# Altium PCB ESP32-SIM800C_Nhut_Hoang.PcbDoc (part 2 of 2)
Units mm, origin at the board's own origin, x right, y up, seen from the top; angles counter-clockwise.
Board outline 157.99 x 100.2 mm, 4 copper layers (Top, POWER, GND, Bottom), stack 0.603 mm thick; 145 components, 93 nets, 480 pads, 241 vias.
Unrouted connection lines stored in the file: 3.
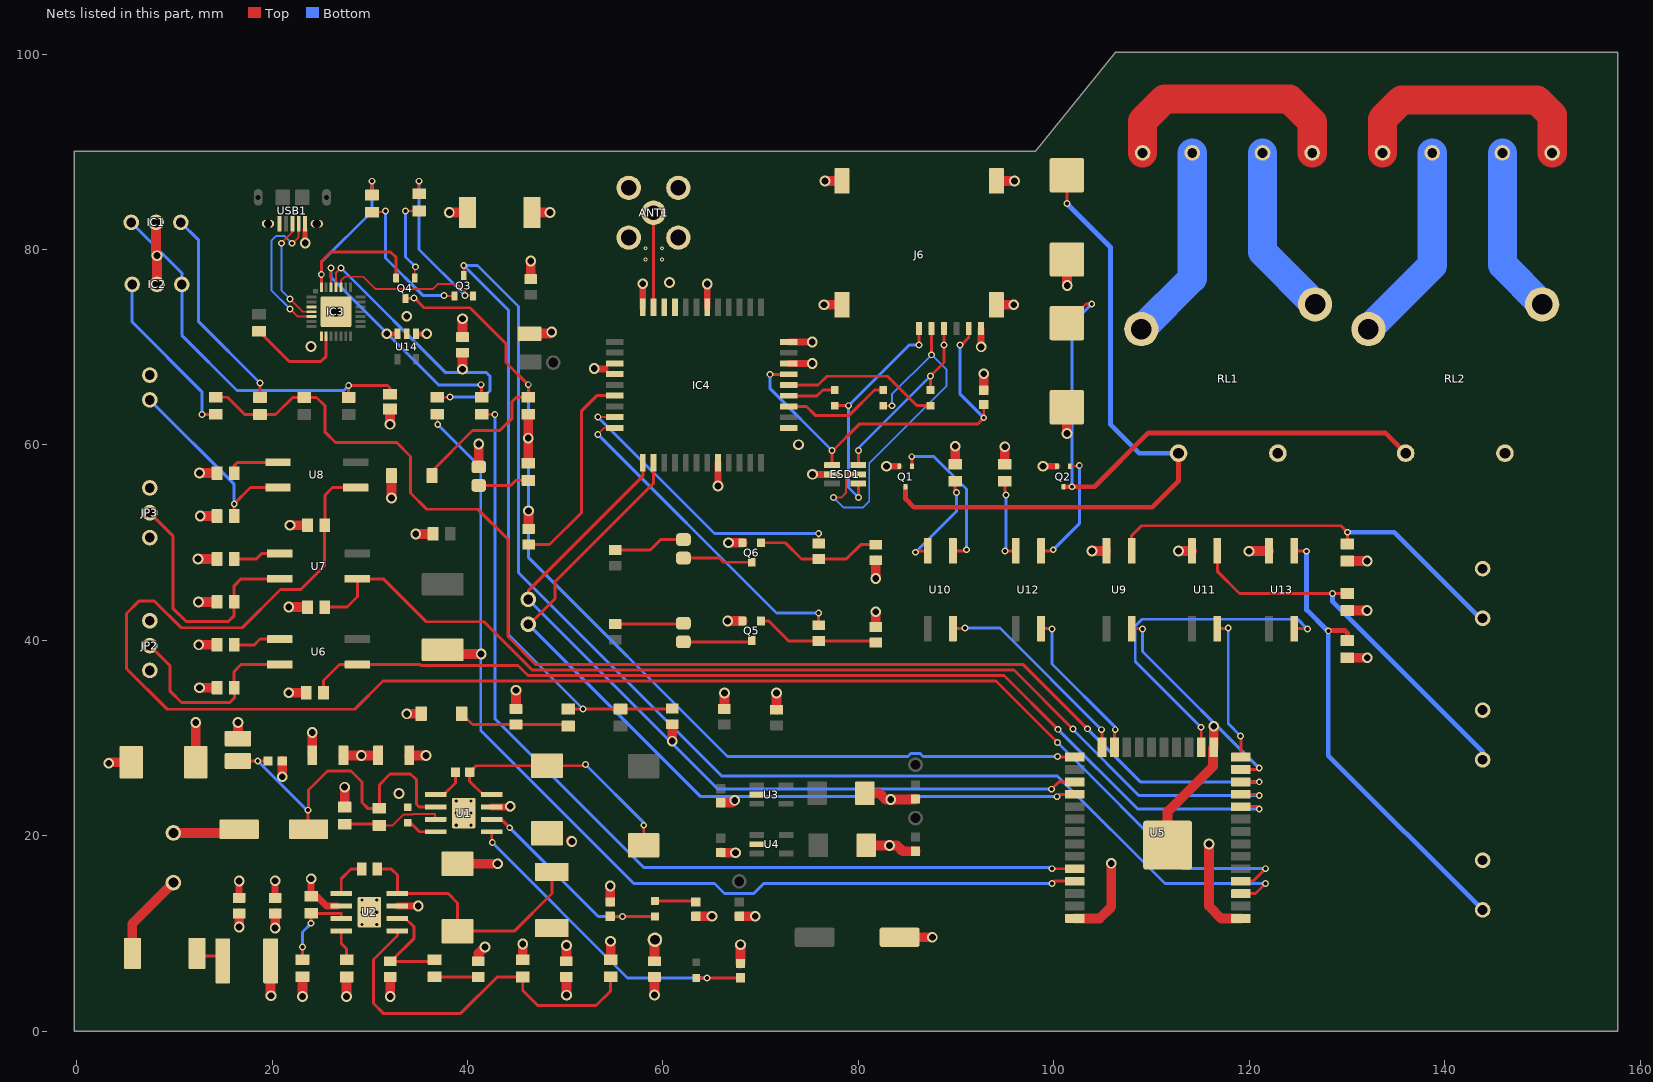
[diagram p4: the nets of this part, all layers, seen from the top]

## Via types
v1: diameter 0.7, hole 0.4, Top to Bottom, 92 vias
v2: diameter 1.1, hole 0.7, Top to GND, 77 vias
v3: diameter 1.1, hole 0.7, Top to POWER, 61 vias
v4: diameter 0.4, hole 0.2, Top to GND, 6 vias
v5: diameter 3, hole 3, Top to Bottom, 4 vias
v6: diameter 1.1, hole 0.7, Top to Bottom, 1 vias

## Nets (pads, with @x,y where several pads share a name; then routed paths per layer and width w, separated by ;. In a path a pad name is that pad's centre, name@x,y a point inside that pad or via, vN(x,y) a via of type N, cw(c..) or ccw(c..) an arc to the next point about the centre after c; other vN are vias at no path point) (continued)
5V: C9.2 C12.2 C28.2 D5.2 D6.2 D7.2 IC3.8 J2.1 L3.2 R7.2 R28.2 R30.2 RL1.1 RL2.1 U9.4 U11.4 U13.4 U14.1 U14.3 | length 25.8
  Top w0.5: v3(31.739,71.375) U14.3@32.832,71.375 ; U14.1@34.732,71.375 v3(35.829,71.375)
  Top w1: C28.2@39.497,71.04 v3(39.497,72.917) ; D7.2@46.609,83.791 v3(48.445,83.791) ; L3.2@48.641,10.385 L3.2@48.641,10.558 ; C9.2@50.124,7.158 v3(50.124,8.775) v3@50.124,8.902 ; v2(54.648,9.204) 54.66,9.192 R7.2@54.66,7.323 ; C12.2@59.137,7.158 59.137,9.07 59.182,9.115 J2.1@59.182,9.369 ; R28.2@89.916,58.034 v3(89.916,59.862) ; R30.2@94.996,58.034 v3(94.996,59.818) ; v3(101.346,61.168) D6.2@101.346,63.865 ; D5.2@101.346,78.978 101.346,76.368 v3(101.384,76.33) ; v3(103.912,49.158) U9.4@105.385,49.158 ; v3(112.756,49.158) U11.4@114.148,49.158 ; v3(119.984,49.13) 120.012,49.158 U13.4@122.022,49.158
  other v3: 23.984,70.072
12V: C10.2 C11.2 D2.2 F1.2 JP2.3 JP3.3 L2.1 R8.2 R15.2 R16.2 R17.2 R18.2 R22.2 R23.2 U2.2 | length 29.5
  Top w0.7: C10.2@16.637,13.649 v3(16.637,15.377) ; C11.2@20.32,13.649 v3(20.32,15.394) ; v3(24.003,15.611) R8.2@24.003,13.814 24.6,13.814 25.584,12.83 U2.2@26.684,12.83
  Top w1: v3(12.192,31.594) D2.2@12.192,27.53 D2.2@12.7,28.038 ; v3(12.421,48.333) R18.2@14.379,48.333 ; v3(12.471,43.938) R17.2@14.379,43.938 ; v3(12.497,39.544) R16.2@14.379,39.544 ; v3(12.573,35.15) R15.2@14.379,35.15 ; v3(12.573,57.121) R23.2@14.379,57.121 ; v3(12.649,52.727) R22.2@14.379,52.727 ; L2.1@16.51,29.95 v3(16.51,31.594) ; F1.2@19.849,7.21 19.849,3.665 v3(19.884,3.63)
BUTTON: JP4.2 R22.1 U8.2 | length 20.6
  Top w0.3: R22.1@16.129,52.727 v1(16.129,53.975) 17.789,55.635 U8.2@20.609,55.635
  Bottom w0.3: JP4.2@7.493,64.614 16.129,55.978 v1(16.129,53.975)
DGND: C21.1 C22.1 C23.1 C24.2 L4.1 SW1.1 U5.1 U5.15 U5.38 U5.39 | length 43.1
  Top w1: v2(33.782,32.483) SW1.1@35.263,32.483 ; L4.1@34.036,28.232 v2(35.747,28.232) ; C24.2@44.958,32.991 v2(44.958,34.896) ; v2(60.96,29.689) C23.1@60.96,31.429 ; C22.1@66.294,32.991 v2(66.294,34.618) ; C21.1@71.628,32.902 v2(71.628,34.618) ; U5.38@102.154,11.55 104.7,11.55 105.89,12.74 v2(105.89,17.18) ; U5.39@111.654,19.05 111.654,22.454 116.303,27.103 116.303,28.994 U5.15@116.369,29.06 v2(116.369,31.205) ; v2(115.89,19.15) 115.89,12.8 117.14,11.55 U5.1@119.154,11.55
EN: C23.2 Q3.3 R13.2 R14.2 U5.3 | length 189.2
  Top w0.3: Q3.3@39.624,77.348 v1(39.624,78.359) ; R14.2@50.322,32.977 v1(51.816,32.977) R13.2@55.656,32.977 60.908,32.977 C23.2@60.96,33.029 ; U5.3@119.154,14.09 120.643,14.09 v1(121.666,15.113)
  Bottom w0.3: v1(51.816,32.977) 44.196,40.597 44.196,73.787 v1(39.624,78.359) 41.021,78.359 45.212,74.168 45.212,46.931 66.021,26.122 85.374,26.122 86.33,26.122 100.37,26.122 111.379,15.113 v1(121.666,15.113)
IO0: Q4.3 R33.2 SW2.1 U5.25 | length 115.6
  Top w0.3: Q4.3@33.655,74.994 34.481,74.994 v1(34.544,75.057) 35.56,74.041 40.259,74.041 43.942,70.358 43.942,68.431 v1@46.217,66.156 ; SW2.1@36.365,56.867 36.365,57.32 40.513,61.468 43.307,61.468 44.577,62.738 44.577,64.437 45.02,64.88 R33.2@46.218,64.88 46.228,64.89 v1(46.228,66.167) v1@46.217,66.156 ; v1@46.09,66.156 v1@46.217,66.156 ; v1(100.397,28.127) 100.464,28.06 U5.25@102.154,28.06
  Bottom w0.3: v1(46.228,66.167) 46.228,48.514 66.615,28.127 85.071,28.127 85.374,28.43 86.33,28.43 86.633,28.127 v1(100.397,28.127)
NetANT1_1: ANT1.1 IC4.32 | length 9.8
  Top w0.2: ANT1.1@58.97,83.84 ANT1.1@59.045,83.765
  Top w0.3: IC4.32@59.045,74.08 ANT1.1@59.045,83.765
NetC1_1: C1.1 U1.1 | length 3.6
  Top w0.3: U1.1@36.737,24.228 37.582,24.228 38.772,25.418 C1.1@38.772,26.514
NetC1_2: C1.2 D1.2 L1.1 U1.8 | length 26.7
  Top w0.3: U1.8@42.487,24.228 41.586,24.228 40.222,25.592 C1.2@40.222,26.514 40.878,27.17 D1.2@48.133,27.17 51.935,27.17 v1(52.07,27.305) ; L1.1@58.039,19.035 v1(58.039,21.082)
  Bottom w0.3: v1(52.07,27.305) 58.039,21.336 v1(58.039,21.082)
NetC2_1: C2.1 C3.2 L2.2 R2.2 U1.2 | length 36.6
  Top w0.3: L2.2@16.51,27.65 v1(18.542,27.65) 19.588,27.65 C3.2@19.595,27.657 ; v1(23.684,22.621) 23.684,20.731 C2.1@23.743,20.672 ; v1@23.743,22.68 23.743,24.689 25.684,26.63 28.084,26.63 29.213,25.501 29.213,23.401 29.797,22.817 R2.2@30.988,22.817 30.988,25.234 32.084,26.33 34.184,26.33 34.784,25.73 34.784,23.23 35.056,22.958 U1.2@36.737,22.958
  Bottom w0.3: v1(18.542,27.65) 23.571,22.621 v1(23.684,22.621)
NetC6_2: C6.2 R3.2 U1.6 | length 22.1
  Top w0.3: U1.6@42.487,21.688 43.463,21.688 v1(44.323,20.828) ; C6.2@54.61,11.769 55.855,11.769 v1(55.88,11.744) R3.2@59.182,11.744
  Bottom w0.3: v1(44.323,20.828) 53.394,11.757 v1@55.867,11.757
NetC7_2: C7.2 R3.1 | length 4.2
  Top w0.3: R3.1@59.182,13.344 63.248,13.344 C7.2@63.373,13.219
NetC8_1: C8.1 D3.2 L3.1 U2.8 | length 27.1
  Top w0.3: C8.1@30.772,16.608 32.206,16.608 32.835,15.979 U2.8@32.835,14.088 38.026,14.088 38.989,13.125 D3.2@38.989,10.237 44.791,10.237 48.641,14.087 L3.1@48.641,16.308
NetC8_2: C8.2 U2.1 | length 4
  Top w0.3: U2.1@27.085,14.088 27.085,15.599 28.094,16.608 C8.2@29.172,16.608
NetC13_2: C13.2 R9.2 U2.6 | length 11.2
  Top w0.3: U2.6@32.835,11.548 33.664,11.548 34.544,10.668 34.544,9.525 32.177,7.158 C13.2@32.097,7.158 32.304,7.158 36.469,7.158 R9.2@36.634,7.323
NetC14_2: C14.2 R9.1 | length 4.5
  Top w0.3: R9.1@36.634,5.573 36.649,5.558 C14.2@41.11,5.558
NetC24_1: C24.1 R14.1 SW1.2 | length 11.4
  Top w0.3: SW1.2@39.413,32.483 40.505,31.391 C24.1@44.958,31.391 50.158,31.391 R14.1@50.322,31.227
NetC25_1: C25.1 IC1.1 IC2.1 R21.1 | length 39.6
  Top w0.3: R21.1@27.845,64.865 v1(27.845,66.072) 31.82,66.072 32.064,65.828 C25.1@32.064,65.178 C25.1@32.016,65.13
  Bottom w0.3: IC1.1@5.588,82.775 10.768,77.595 IC2.1@10.768,76.425 10.768,71.232 16.423,65.577 27.35,65.577 v1(27.845,66.072)
NetD4_1: D4.1 JP1.1 | length 8.3
  Top w1: D4.1@5.78,8.66 5.7,8.74 5.7,11.005 JP1.1@9.906,15.211
NetD4_2: D4.2 F1.1 | length 2.9
  Top w0.3: D4.2@12.319,7.972 12.571,7.72 14.439,7.72 F1.1@14.949,7.21
NetD5_1: D5.1 Q1.3 RL1.2 | length 69
  Top w0.3: v1(101.346,84.709) D5.1@101.346,87.588
  Top w0.5: Q1.3@84.836,55.719 84.836,54.482 85.688,53.63 110.084,53.63 112.776,56.322 RL1.2@112.776,59.153
  Bottom w0.5: v1(101.346,84.709) 105.791,80.264 105.791,62.103 108.741,59.153 RL1.2@112.776,59.153
NetD6_1: D6.1 Q2.3 RL2.2 | length 61.1
  Top w0.3: D6.1@101.346,72.475 103.293,74.422 v1(103.886,74.422)
  Top w0.5: Q2.3@100.984,55.719 v1(101.854,55.719) 104.173,55.719 109.684,61.23 133.94,61.23 RL2.2@136.017,59.153
  Bottom w0.3: v1(101.854,55.719) 101.854,72.39 v1(103.886,74.422)
NetD8_1: D8.1 R34.2 | length 5.3
  Top w0.3: D8.1@41.148,55.856 44.426,55.856 44.958,56.388 46.213,56.388 R34.2@46.228,56.373
NetESD1_4: ESD1.4 J6.3 R42.2 | length 24.1
  Top w0.3: R42.2@77.597,64.018 v1(78.984,64.018) ; v1(80.01,54.61) ESD1.4@80.01,56.044 ; v1(86.223,70.241) J6.3@86.223,71.92
  Bottom w0.3: v1(80.01,54.61) 78.984,55.636 v1(78.984,64.018) 85.207,70.241 v1(86.223,70.241)
NetESD1_5: ESD1.5 J6.7 R43.2 | length 38.3
  Top w0.2: v1(77.47,54.61) 78.232,54.61 78.74,55.118 78.74,56.896 78.838,56.994 ESD1.5@80.01,56.994 ; R43.2@82.55,64.018 82.56,64.008 v1(83.439,64.008)
  Top w0.3: v1(87.493,69.225) J6.7@87.493,71.92
  Bottom w0.2: v1(77.47,54.61) 78.49,53.59 80.45,53.59 81.12,54.26 81.12,58.133 89.027,66.04 89.027,67.691 v1(87.493,69.225) 83.439,65.171 v1(83.439,64.008)
NetESD1_6: ESD1.6 J6.2 R41.2 | length 19
  Top w0.3: ESD1.6@80.01,57.944 v1(80.01,59.436) ; R41.2@87.376,65.618 v1(87.376,67.056) 88.763,68.443 v1(88.763,70.221) J6.2@88.763,71.92
  Bottom w0.3: v1(80.01,59.436) 80.01,59.69 v1(87.376,67.056)
NetIC1_3: IC1.3 R25.1 | length 21.3
  Top w0.3: R25.1@18.771,64.865 v1(18.771,66.331)
  Bottom w0.3: IC1.3@10.668,82.775 12.49,80.953 12.49,72.612 v1(18.771,66.331)
NetIC2_3: IC2.3 R26.1 | length 17.7
  Top w0.3: v1(12.816,63.13) R26.1@14.224,63.13
  Bottom w0.3: IC2.3@5.688,76.425 5.688,72.577 12.816,65.449 v1(12.816,63.13)
NetIC3_4: IC3.4 USB1.3 | length 11.3
  Top w0.2: v1(20.955,80.645) 22.082,81.772 USB1.3@22.082,82.644 ; v1(21.844,74.93) 23.143,73.631 IC3.4@24.043,73.631
  Bottom w0.2: v1(20.955,80.645) 20.955,75.819 v1(21.844,74.93)
NetIC3_5: IC3.5 USB1.2 | length 15.2
  Top w0.2: v1(21.844,73.914) 22.223,73.535 22.234,73.535 22.638,73.131 IC3.5@24.043,73.131 ; v1(22.034,80.645) 22.098,80.645 22.732,81.279 USB1.2@22.732,82.644
  Bottom w0.2: v1(21.844,73.914) 19.939,75.819 19.939,80.899 20.447,81.407 21.273,81.407 v1(22.034,80.645)
NetIC3_9: IC3.9 R37.2 | length 10.4
  Top w0.3: R37.2@18.669,71.627 21.766,68.53 24.984,68.53 25.543,69.089 25.543,70.179 IC3.9@25.543,71.131
NetIC3_25: IC3.25 R36.2 | length 29.2
  Top w0.2: IC3.25@26.543,76.131 26.543,77.597 v1(27.051,78.105) ; R36.2@36.91,64.88 38.21,64.88 v1(38.227,64.897)
  Bottom w0.3: v1(27.051,78.105) 37.719,67.437 41.91,67.437 42.291,67.056 42.291,65.528 41.652,64.888 v1@38.218,64.888
NetIC3_26: IC3.26 R35.2 | length 24.2
  Top w0.2: IC3.26@26.043,76.131 v1(26.043,78.097)
  Top w0.3: v1(41.402,66.167) 41.447,66.122 R35.2@41.447,64.88
  Bottom w0.3: v1(26.043,78.097) 26.043,77.157 37.055,66.145 v1@41.424,66.145
NetIC4_39: IC4.39 R40.1 | length 21.2
  Top w0.3: R40.1@46.258,49.806 48.409,49.806 51.689,53.086 51.689,63.5 53.235,65.046 IC4.39@55.073,65.046
NetJP5_1: JP5.1 JP6.2 | length 25.7
  Top w3: JP5.1@109.093,89.887 109.093,93.163 111.33,95.4 124.1,95.4 126.45,93.05 JP6.2@126.45,89.887
NetJP5_2: JP5.2 RL1.3 | length 20.2
  Bottom w3: RL1.3@108.966,71.853 114.173,77.06 JP5.2@114.173,89.887
NetJP6_1: JP6.1 RL1.4 | length 17.7
  Bottom w3: JP6.1@121.37,89.887 121.37,79.769 RL1.4@126.746,74.393
NetJP7_1: JP7.1 JP8.2 | length 26.1
  Top w3: JP7.1@133.646,89.887 133.646,93.346 135.6,95.3 149.461,95.3 151.003,93.758 JP8.2@151.003,89.887
NetJP7_2: JP7.2 RL2.3 | length 20.7
  Bottom w3: RL2.3@132.207,71.853 138.726,78.372 JP7.2@138.726,89.887
NetJP8_1: JP8.1 RL2.4 | length 17.2
  Bottom w3: JP8.1@145.923,89.887 145.923,78.457 RL2.4@149.987,74.393
NetLED1_1: LED1.1 R44.2 | length 7
  Top w0.3: R44.2@55.118,41.665 62.014,41.665 LED1.1@62.103,41.754
NetLED1_2: LED1.2 Q5.3 | length 7
  Top w0.3: LED1.2@62.103,39.854 68.966,39.854 Q5.3@69.088,39.976
NetLED2_1: LED2.1 R45.2 | length 7.4
  Top w0.3: R45.2@55.118,49.247 58.701,49.247 59.778,50.324 LED2.1@62.103,50.324
NetLED2_2: LED2.2 Q6.3 | length 7.2
  Top w0.3: LED2.2@62.103,48.424 65.79,48.424 66.221,47.993 Q6.3@69.088,47.993
NETLIGHT: IC4.41 R47.1 | length 30.3
  Top w0.2: v1(53.34,62.865) 53.359,62.846 IC4.41@55.073,62.846 ; R47.1@75.946,49.92 v1(75.946,50.927)
  Bottom w0.3: v1(53.34,62.865) 65.278,50.927 v1(75.946,50.927)
NetQ1_1: Q1.1 U10.3 | length 15.6
  Top w0.3: v1(85.471,58.801) 85.486,58.786 Q1.1@85.486,57.819 ; U10.3@89.687,49.158 90.941,49.158 v1(91.059,49.276)
  Bottom w0.3: v1(85.471,58.801) 87.757,58.801 91.059,55.499 v1(91.059,49.276)
NetQ2_1: Q2.1 U12.3 | length 12.1
  Top w0.3: U12.3@98.704,49.158 99.831,49.158 v1(99.949,49.276) ; Q2.1@101.634,57.819 102.523,57.819 v1(102.616,57.912)
  Bottom w0.3: v1(99.949,49.276) 102.616,51.943 v1(102.616,57.912)
NetQ3_2: Q3.2 R38.1 | length 14.9
  Top w0.2: R38.1@30.226,83.819 31.495,83.819 v1(31.623,83.947) ; v1(37.592,75.311) 37.655,75.248 Q3.2@38.674,75.248
  Bottom w0.3: v1(31.623,83.947) 31.623,79.121 35.433,75.311 v1(37.592,75.311)
NetQ4_2: Q4.2 R39.1 | length 8.7
  Top w0.2: v1(33.655,83.947) v1(33.655,83.947) R39.1@35.052,83.946 ; Q4.2@34.605,77.094 34.605,78.166 v1(34.671,78.232)
  Bottom w0.3: v1(33.655,83.947) 33.655,79.248 v1(34.671,78.232)
NetQ5_1: Q5.1 R46.2 R48.1 | length 12.7
  Top w0.3: Q5.1@70.038,41.976 70.838,41.976 72.876,39.938 R46.2@75.946,39.938 81.623,39.938 R48.1@81.788,39.773
NetQ6_1: Q6.1 R47.2 R49.1 | length 13.1
  Top w0.3: Q6.1@70.038,49.993 72.521,49.993 74.194,48.32 R47.2@75.946,48.32 78.774,48.32 80.247,49.793 R49.1@81.788,49.793
NetR1_1: R1.1 R4.2 U1.5 | length 33.4
  Top w0.3: U1.5@42.487,20.418 42.487,19.362 v1(42.545,19.304) ; R1.1@63.413,5.458 v1(64.516,5.458) 67.92,5.458 R4.2@67.945,5.483
  Bottom w0.3: v1(42.545,19.304) 56.391,5.458 v1(64.516,5.458)
NetR2_1: R2.1 R5.2 U1.3 | length 10.4
  Top w0.2: R2.1@30.988,21.067 32.332,21.067 33.441,22.176 34.419,22.176 34.473,22.23 36.684,22.23 36.684,21.741 U1.3@36.737,21.688 U1.3@36.784,21.735
  Top w0.3: R5.2@27.432,21.194 30.861,21.194 R2.1@30.988,21.067
NetR6_1: R6.1 U1.4 | length 3.2
  Top w0.2: R6.1@33.884,21.33 R6.1@34.184,21.33
  Top w0.3: R6.1@34.184,21.33 35.096,20.418 U1.4@36.737,20.418
NetR7_1: R7.1 R10.2 U2.5 | length 38.8
  Top w0.3: U2.5@32.835,10.278 32.835,9.785 30.384,7.334 30.384,2.83 31.384,1.83 39.31,1.83 43.038,5.558 R10.2@45.657,5.558 45.657,4.157 47.184,2.63 53.16,2.63 54.66,4.13 R7.1@54.66,5.573
NetR8_1: R8.1 R11.2 U2.3 | length 8.7
  Top w0.3: R11.2@23.114,7.323 v1(23.114,8.636) ; v1(24.003,11.049) R8.1@24.003,12.064 27.05,12.064 27.085,12.029 U2.3@27.085,11.548
  Bottom w0.3: v1(23.114,8.636) 23.114,10.16 v1(24.003,11.049)
NetR12_1: R12.1 U2.4 | length 3.2
  Top w0.3: U2.4@27.085,10.278 27.085,8.983 27.631,8.437 R12.1@27.631,7.308
NetR16_1: R16.1 U6.1 | length 4.9
  Top w0.3: R16.1@16.129,39.544 18.198,39.544 18.782,40.128 U6.1@20.79,40.128
NetR18_1: R18.1 U7.1 | length 4.9
  Top w0.3: R18.1@16.129,48.333 18.387,48.333 18.945,48.891 U7.1@20.79,48.891
NetR19_2: R19.2 U5.10 U6.3 | length 105.8
  Top w0.3: R19.2@25.259,34.642 25.259,35.905 26.892,37.538 U6.3@28.74,37.538 35.162,37.538 35.26,37.44 39.099,37.44 45.16,37.44 46.196,36.404 94.916,36.404 v1(100.42,30.9) ; U5.10@119.154,22.98 120.784,22.98 v1(121.031,22.733)
  Bottom w0.3: v1(100.42,30.9) 108.587,22.733 v1(121.031,22.733)
NetR20_2: R20.2 U5.11 U7.3 | length 109
  Top w0.3: R20.2@25.386,43.405 27.659,43.405 28.74,44.486 U7.3@28.74,46.301 31.389,46.301 35.78,41.91 41.68,41.91 46.632,36.958 95.926,36.958 v1(101.97,30.914) ; U5.11@119.154,24.25 120.911,24.25 v1(121.031,24.13)
  Bottom w0.3: v1(101.97,30.914) 101.97,30.87 108.71,24.13 v1(121.031,24.13)
NetR23_1: R23.1 U8.1 | length 5.4
  Top w0.3: R23.1@16.129,57.121 16.129,57.875 16.479,58.225 U8.1@20.609,58.225
NetR24_1: R24.1 R25.2 R26.2 U5.12 | length 136
  Top w0.3: R26.2@14.224,64.88 15.434,64.88 17.199,63.115 R25.2@18.771,63.115 20.369,63.115 22.119,64.865 R24.1@23.308,64.865 24.555,64.865 25.44,63.98 25.44,61.29 26.49,60.24 32.77,60.24 34.18,58.83 34.18,55.08 35.84,53.42 41.06,53.42 44.14,50.34 44.14,40.39 47.018,37.512 96.878,37.512 v1(103.44,30.95) ; U5.12@119.154,25.52 121.024,25.52 v1(121.031,25.527)
  Bottom w0.3: v1(103.44,30.95) 108.863,25.527 v1(121.031,25.527)
NetR27_2: R27.2 U5.4 U8.3 | length 171.3
  Top w0.3: U8.3@28.559,55.635 26.195,55.635 25.41,54.85 25.41,51.811 R27.2@25.386,51.787 25.386,47.666 22.94,45.22 20.88,45.22 16.95,41.29 10.7,41.29 7.98,44.01 6.37,44.01 5.12,42.76 5.12,37.1 9.27,32.95 28.46,32.95 31.36,35.85 45.967,35.85 94.08,35.85 v1(100.39,29.54) ; U5.4@119.154,15.36 120.389,15.36 v1(121.666,16.637)
  Bottom w0.3: v1(100.39,29.54) 113.293,16.637 v1(121.666,16.637)
NetR28_1: R28.1 U10.4 | length 10.4
  Top w0.3: v1(85.852,49.022) 85.988,49.158 U10.4@87.097,49.158 ; R28.1@89.916,56.284 89.916,55.245 v1(90.043,55.118)
  Bottom w0.3: v1(85.852,49.022) 90.043,53.213 v1(90.043,55.118)
NetR30_1: R30.1 U12.4 | length 8.4
  Top w0.3: v1(94.996,49.149) 95.005,49.158 U12.4@96.114,49.158 ; R30.1@94.996,56.284 94.996,54.991 v1(95.123,54.864)
  Bottom w0.3: v1(94.996,49.149) 95.123,49.276 v1(95.123,54.864)
NetR35_1: R35.1 U5.34 | length 98.2
  Top w0.2: R35.1@41.447,63.13 41.458,63.119 v1(42.799,63.119)
  Top w0.3: v1(99.822,16.637) 99.829,16.63 U5.34@102.154,16.63
  Bottom w0.3: v1(42.799,63.119) 42.799,32.004 58.039,16.764 99.695,16.764 v1(99.822,16.637)
NetR36_1: R36.1 U5.35 | length 106.9
  Top w0.2: R36.1@36.91,63.13 36.91,62.15 v1(36.957,62.103)
  Top w0.3: v1(99.822,15.113) 100.069,15.36 U5.35@102.154,15.36
  Bottom w0.3: v1(36.957,62.103) 41.36,57.7 41.36,30.776 57.023,15.113 65.287,15.113 ; v1(99.822,15.113) 70.313,15.113 69.3,14.1 ; 65.287,15.113 66.3,14.1 ; 65.287,15.113 66.3,14.1 ; 66.3,14.1 69.3,14.1 ; 66.3,14.1 69.3,14.1
NetU5_13: U5.13 U9.2 | length 22.2
  Top w0.3: U9.2@107.975,41.208 109.033,41.208 v1(109.093,41.148) ; U5.13@119.154,26.79 120.897,26.79 v1(121.031,26.924)
  Bottom w0.3: v1(109.093,41.148) 109.093,38.862 v1(121.031,26.924)
NetU5_14: U5.14 U11.2 | length 14.9
  Top w0.3: U11.2@116.738,41.208 117.789,41.208 v1(117.856,41.275) ; v1(119.126,30.226) 119.154,30.198 U5.14@119.154,28.06
  Bottom w0.3: v1(117.856,41.275) 117.856,31.496 v1(119.126,30.226)
NetU5_16: U5.16 U13.2 | length 34.9
  Top w0.3: v1(115.062,31.115) 115.099,31.078 U5.16@115.099,29.06 ; U13.2@124.612,41.208 125.924,41.208 v1(125.984,41.148)
  Bottom w0.3: v1(115.062,31.115) 108.339,37.838 108.339,41.46 109.043,42.164 124.968,42.164 v1@125.954,41.178
NetU5_23: U5.23 U12.2 | length 15.7
  Top w0.3: U12.2@98.704,41.208 99.762,41.208 v1(99.822,41.148) ; U5.23@106.209,29.06 106.209,30.771 v1(106.299,30.861)
  Bottom w0.3: v1(99.822,41.148) 99.822,37.592 v1@106.299,31.115
NetU5_24: U5.24 U10.2 | length 21.2
  Top w0.3: U10.2@89.687,41.208 90.865,41.208 v1(90.932,41.275) ; v1@104.902,30.734 104.939,30.697 U5.24@104.939,29.06
  Bottom w0.3: v1(90.932,41.275) 94.488,41.275 v1(104.902,30.861)
OUT1: JP9.2 R29.2 U9.3 | length 42.8
  Top w0.3: U9.3@107.975,49.158 107.975,50.721 108.984,51.73 129.384,51.73 v1(130.048,51.066) R29.2@130.048,49.868
  Bottom w0.5: v1(130.048,51.066) 134.833,51.066 JP9.2@143.637,42.262
OUT2: JP10.2 R31.2 U11.3 | length 39.7
  Top w0.3: U11.3@116.738,49.158 116.738,47.076 119.012,44.802 v1(128.512,44.802) R31.2@130.048,44.802
  Bottom w0.5: v1(128.512,44.802) 128.512,43.988 143.891,28.609 JP10.2@143.891,27.784
OUT3: JP11.2 R32.2 U13.3 | length 48.4
  Top w0.3: U13.3@124.612,49.158 125.848,49.158 v1(125.882,49.124)
  Top w0.5: v1(128.098,40.981) 128.117,41 129.829,41 130.053,40.776 130.048,40.771 R32.2@130.048,39.976
  Bottom w0.5: v1(125.882,49.124) 125.882,43.118 128.019,40.981 v1(128.098,40.981) 128.098,28.21 JP11.2@143.891,12.417
PGND: C2.2 C3.1 C4.2 C5.1 C6.1 C7.1 C9.1 C10.1 C11.1 C12.1 C13.1 C14.1 C15.2 C16.1 C17.1 C18.2 C19.1 C20.1 C25.2 C26.2 C27.1 C28.1 D1.1 D2.1 D3.1 D8.2 IC1.2 IC2.2 IC3.3 IC3.29 JP1.2 JP2.1 JP3.1 JP4.1 JP9.1 JP10.1 JP11.1 L4.2 L5.2 Q1.2 Q2.2 R4.1 R5.1 R6.2 R10.1 R11.1 R12.2 R19.1 R20.1 R27.1 R29.1 R31.1 R32.1 SW2.2 U1.7 U1.9 U2.7 U2.9 U3.2 U4.2 U14.2 USB1.5 USB1.6 USB1.7 | length 99
  Top w0.5: IC3.29@26.043,74.131 IC3.29@26.543,73.631
  Top w0.7: U2.7@32.835,12.818 v2(34.972,12.818) ; U1.7@42.487,22.958 v2@44.312,22.958 ; v2(82.873,57.819) Q1.2@84.186,57.819 ; v2(98.895,57.819) Q2.2@100.334,57.819
  Top w1: v2(3.293,27.423) 3.4,27.53 D2.1@5.592,27.53 ; IC1.2@8.128,82.775 8.128,79.473 v2(8.228,79.373) IC2.2@8.228,76.425 ; JP1.2@9.906,20.291 16.445,20.291 C2.2@16.684,20.53 ; v2(16.637,10.677) C10.1@16.637,12.049 ; v2(20.32,10.566) C11.1@20.32,12.049 ; v2(21.045,26.043) C3.1@21.045,27.657 ; v2(21.717,34.642) R19.1@23.509,34.642 ; v2(21.717,43.405) R20.1@23.636,43.405 ; v2(21.841,51.787) R27.1@23.636,51.787 ; v2@23.114,3.511 R11.1@23.114,5.43 ; L5.2@27.305,28.232 v2(29.143,28.232) L4.2@30.852,28.232 ; R5.1@27.432,22.944 v2(27.432,24.982) ; v2@27.631,3.511 R12.2@27.631,5.343 ; v2(32.064,62.11) C25.2@32.064,63.678 ; v2@32.097,3.511 C13.1@32.097,5.508 ; v2(32.215,54.561) SW2.2@32.215,56.867 ; D3.1@38.989,17.137 v2(43.091,17.137) ; v2(39.497,67.743) C28.1@39.497,69.44 ; C14.1@41.11,7.158 41.11,7.956 v2(41.784,8.63) ; D8.2@41.148,57.756 v2(41.148,60.094) ; v2@44.312,22.958 v2(44.384,23.03) ; R10.1@45.657,7.308 v2(45.657,8.925) ; C26.2@46.355,71.398 48.452,71.398 v2(48.618,71.564) ; C27.1@46.482,76.971 v2(46.482,78.828) ; D1.1@48.133,20.27 D1.1@48.873,19.53 ; v2(50.124,3.695) C9.1@50.124,5.558 ; v2@50.584,19.53 v2(50.684,19.43) ; C6.1@54.61,13.219 v2(54.61,14.856) ; v2(59.137,3.699) C12.1@59.137,5.558 ; C7.1@63.373,11.769 v2(65.037,11.769) ; C19.1@65.913,18.296 65.95,18.259 v2(67.437,18.259) ; C16.1@65.913,23.376 67.093,23.376 v2(67.347,23.63) ; C5.1@67.818,11.769 v2(69.456,11.769) ; R4.1@67.945,6.933 v2(67.945,8.861) ; C15.2@80.682,24.355 82.169,24.355 82.804,23.72 v2(83.312,23.72) 85.815,23.72 C17.1@85.852,23.757 ; C18.2@80.809,19.021 v2(83.185,19.021) 83.947,19.021 84.545,18.423 C20.1@85.852,18.423 ; C4.2@84.233,9.623 v2(87.577,9.623) ; R32.1@130.048,38.226 v2(132.08,38.226) ; R31.1@130.048,43.052 v2(132.062,43.052) ; R29.1@130.048,48.118 v2(132.072,48.118)
  other v2: 23.114,3.561 27.631,3.561 32.097,3.561 32.984,24.33 33.782,73.18
SENSOR1: JP2.2 R15.1 U6.2 | length 20.5
  Top w0.3: JP2.2@7.493,39.468 9.58,37.381 9.58,34.8 10.73,33.65 15.68,33.65 16.14,34.11 R15.1@16.14,35.19 ; R15.1@16.129,35.15 16.129,36.83 16.837,37.538 U6.2@20.79,37.538
SENSOR2: JP3.2 R17.1 U7.2 | length 25.9
  Top w0.3: JP3.2@7.493,53.057 9.85,50.7 9.85,43.29 11.22,41.92 15.53,41.92 16.13,42.52 R17.1@16.13,43.94 ; R17.1@16.129,43.938 16.129,45.593 16.837,46.301 U7.2@20.79,46.301
SGND: ANT1.2 ANT1.3 ANT1.4 ANT1.5 C29.2 C30.2 C31.2 ESD1.2 IC4.8 IC4.13 IC4.19 IC4.21 IC4.27 IC4.30 IC4.31 IC4.33 IC4.36 IC4.37 J6.5 L5.1 Q5.2 Q6.2 R40.2 R48.2 R49.2 | length 42.2
  Top w0.5: C30.2@37.465,39.039 C30.2@37.904,38.6
  Top w0.7: v2(52.984,67.83) 53.034,67.78 54.084,67.78 ; IC4.33@57.945,74.08 v2(57.945,76.491) ; IC4.27@64.545,74.08 v2(64.545,76.469) ; v2(65.645,55.791) IC4.8@65.645,58.18 ; IC4.19@72.895,68.33 v2(75.284,68.33) ; IC4.21@72.895,70.53 v2(75.284,70.53) ; v2(75.32,56.994) ESD1.2@77.31,56.994 ; v2(92.573,70.041) J6.5@92.573,71.92
  Top w1: L5.1@24.121,28.232 v2(24.121,30.569) ; v2(34.716,50.898) C29.2@36.477,50.898 ; C30.2@37.904,38.6 v2(41.4,38.6) ; R40.2@46.258,51.406 v2(46.258,53.256) ; v2(66.63,41.976) Q5.2@68.138,41.976 ; v2(66.721,49.993) Q6.2@68.138,49.993 ; v2(76.5,74.346) J6.5@78.333,74.346 ; v2(76.579,87.026) J6.5@78.333,87.026 ; R48.2@81.788,41.373 v2(81.788,42.926) ; v2(81.788,46.334) R49.2@81.788,48.193 ; C31.2@92.837,65.593 v2(92.837,67.283) ; J6.5@94.133,74.346 v2(95.9,74.346) ; J6.5@94.133,87.026 v2(95.979,87.026)
  other v2: 73.884,60.03 60.684,76.63
  other v4: 58.21,78.98 59.91,78.99 58.21,80.13 59.91,80.13
SIM-CLK: IC4.16 R42.1 | length 4.9
  Top w0.3: IC4.16@72.895,65.03 75.784,65.03 76.372,65.618 R42.1@77.597,65.618
SIM-DATA: IC4.15 R43.1 | length 11.1
  Top w0.3: IC4.15@72.895,63.93 74.684,63.93 75.584,63.03 79.062,63.03 81.65,65.618 R43.1@82.55,65.618
SIM-RST: IC4.17 R41.1 | length 16.1
  Top w0.3: IC4.17@72.895,66.13 75.884,66.13 76.784,67.03 82.984,67.03 85.996,64.018 R41.1@87.376,64.018
SIM-VDD: C31.1 ESD1.1 IC4.18 J6.1 | length 42.8
  Top w0.3: v1(70.946,67.23) IC4.18@72.895,67.23 ; ESD1.1@77.31,57.944 77.31,59.342 80.098,62.13 92.184,62.13 v1(92.837,62.783) C31.1@92.837,64.143 ; v1(90.424,70.231) 90.424,70.104 91.303,70.983 J6.1@91.303,71.92
  Bottom w0.3: v1(70.946,67.23) 70.946,65.8 v1(77.31,59.436) ; v1(90.424,70.231) 90.424,65.196 v1(92.837,62.783)
SIM_RX: GSM1.2 IC4.2 U5.28 | length 85.1
  Top w0.3: GSM1.2@46.3,41.86 46.54,41.86 48.95,44.27 48.95,45.99 59.045,56.085 IC4.2@59.045,58.18 ; v1(100.33,24.003) 100.577,24.25 U5.28@102.154,24.25
  Bottom w0.3: GSM1.2@46.228,41.656 63.881,24.003 v1(100.33,24.003)
SIM_TX: GSM1.1 IC4.1 U5.27 | length 83.1
  Top w0.3: GSM1.1@46.228,44.196 46.228,45.085 57.945,56.802 IC4.1@57.945,58.18 ; v1(99.767,24.773) 100.514,25.52 U5.27@102.154,25.52
  Bottom w0.3: GSM1.1@46.228,44.196 65.651,24.773 v1(99.767,24.773)
STATUS: IC4.42 R46.1 | length 33.4
  Top w0.2: v1(53.34,61.087) 53.999,61.746 IC4.42@55.073,61.746
  Top w0.3: R46.1@75.946,41.538 v1(75.946,42.799)
  Bottom w0.3: v1(53.34,61.087) 71.628,42.799 v1(75.946,42.799)
USB3V3: R33.1 R34.1 | length 5
  Top w1: R33.1@46.218,63.13 v3(46.218,60.696) 46.228,60.686 R34.1@46.228,58.123
USB_DTR: IC3.28 Q4.1 R38.2 | length 26.2
  Top w0.3: IC3.28@25.043,76.131 v1(25.043,77.448) 25.043,78.764 26.035,79.756 32.131,79.756 32.705,79.182 Q4.1@32.705,77.094 ; R38.2@30.226,85.569 v1(30.226,86.995)
  Bottom w0.3: v1(25.043,77.448) 25.043,78.71 30.226,83.893 v1(30.226,86.995)
USB_RTS: IC3.24 Q3.1 R39.2 | length 30.8
  Top w0.2: IC3.24@27.043,76.131 27.043,76.827 27.432,77.216 29.337,77.216 30.607,75.946 36.449,75.946 36.957,76.454 38.989,76.454 39.751,75.692 v1(39.751,75.311) 40.511,75.311 Q3.1@40.574,75.248 ; R39.2@35.052,85.696 v1(35.052,86.995)
  Bottom w0.3: v1(35.052,86.995) 35.052,80.01 v1(39.751,75.311)
VCCUSB: D7.1 USB1.1 | length 3.3
  Top w0.5: USB1.1@23.389,82.094 23.389,80.672 v6(23.396,80.665)
  Top w1: v3(38.145,83.791) D7.1@40.005,83.791
pads on no net: ESD1.3 IC3. IC3.1 IC3.2 IC3.10 IC3.11 IC3.12 IC3.13 IC3.14 IC3.15 IC3.16 IC3.17 IC3.18 IC3.19 IC3.20 IC3.21 IC3.22 IC3.23 IC3.27 IC4.3 IC4.4 IC4.5 IC4.6 IC4.7 IC4.9 IC4.10 IC4.11 IC4.12 IC4.14 IC4.20 IC4.22 IC4.23 IC4.24 IC4.25 IC4.26 IC4.28 IC4.29 IC4.38 IC4.40 J6.6 U3.4 U4.4 U5.5 U5.6 U5.7 U5.8 U5.9 U5.17 U5.18 U5.19 U5.20 U5.21 U5.22 U5.26 U5.29 U5.30 U5.31 U5.32 U5.33 U5.36 U5.37 U14.4 USB1. USB1.4 USB1.8 USB1.9
copper on no net:
  other v4: 58.21,77.98 59.91,77.98
  other v5: 3.429,3.302 153.924,3.556 2.667,87.122 154.813,97.409

## Polygon pours and split planes (outlines as drawn)
PGND on Bottom "PGND_L04_P001" (solid, pour order 1): -0.254,90.043 97.79,90.17 106.337,100.203 157.734,100.203 157.734,0 0,0
PGND on Top "PGND_L01_P000" (solid, pour order 0): 0,90.17 97.79,90.17 106.68,100.33 157.734,100.203 157.734,0 0,0 -0.254,90.043
PGND on GND (split plane): 157.224,99.693 157.224,0.51 124.292,0.51 124.292,10.49 124.284,10.555 124.266,10.598 124.258,10.616 124.241,10.639 124.218,10.668 124.118,10.768 124.066,10.808 124.005,10.834 123.94,10.842 97.31,10.842 97.245,10.834 97.184,10.808 97.132,10.768 97.092,10.716 97.066,10.655 97.058,10.59 97.058,0.51 0.256,0.51 0.256,89.533 49.732,89.533 49.732,58.382 44.584,58.382 44.519,58.374 44.458,58.348 44.406,58.308 44.306,58.208 44.266,58.156 44.24,58.095 44.232,58.03 44.232,52.882 22.684,52.882 22.619,52.874 22.558,52.848 22.506,52.808 22.466,52.756 22.44,52.695 22.432,52.63 22.432,29.162 22.44,29.097 22.466,29.036 22.506,28.984 22.538,28.952 22.56,28.934 22.59,28.912 22.651,28.886 22.716,28.878 30.932,28.878 30.932,26.23 30.94,26.165 30.966,26.104 31.006,26.052 31.058,26.012 31.119,25.986 31.184,25.978 97.832,25.978 97.832,13.89 97.84,13.825 97.866,13.764 97.906,13.712 97.958,13.672 98.019,13.646 98.084,13.638 129.784,13.638 129.849,13.646 129.91,13.672 129.962,13.712 130.002,13.764 130.028,13.825 130.036,13.89 130.036,36.53 130.028,36.595 130.002,36.656 129.962,36.708 129.91,36.748 129.849,36.774 129.784,36.782 83.152,36.782 83.152,63.478 97.93,63.478 97.962,63.482 97.994,63.486 97.995,63.486 98.025,63.499 98.055,63.511 98.056,63.512 98.081,63.531 98.107,63.55 98.108,63.551 98.108,63.552 98.128,63.577 98.147,63.602 98.148,63.603 98.148,63.604 98.161,63.634 98.173,63.663 98.173,63.664 98.174,63.665 98.178,63.696 98.182,63.728 98.352,87.808 98.352,87.809 98.352,87.81 98.352,89.601 98.362,89.607 98.383,89.619 98.403,89.635 98.425,89.65 98.442,89.667 98.46,89.682 98.477,89.703 98.495,89.722 103.219,95.548 106.606,99.693
DGND on GND (split plane): 129.532,14.142 98.336,14.142 98.336,26.23 98.328,26.295 98.302,26.356 98.262,26.408 98.21,26.448 98.149,26.474 98.084,26.482 31.436,26.482 31.436,29.008 31.46,29.065 31.468,29.13 31.46,29.195 31.436,29.252 31.436,36.278 129.532,36.278
SGND on GND (split plane): 97.848,87.811 97.68,63.982 82.9,63.982 82.835,63.974 82.774,63.948 82.722,63.908 82.682,63.856 82.656,63.795 82.648,63.73 82.648,36.782 31.184,36.782 31.119,36.774 31.058,36.748 31.006,36.708 30.966,36.656 30.94,36.595 30.932,36.53 30.932,29.382 22.936,29.382 22.936,52.378 44.484,52.378 44.549,52.386 44.61,52.412 44.662,52.452 44.702,52.504 44.728,52.565 44.736,52.63 44.736,57.878 49.984,57.878 50.049,57.886 50.11,57.912 50.162,57.952 50.202,58.004 50.228,58.065 50.236,58.13 50.236,89.533 97.848,89.533
5V on POWER (split plane): 117.132,69.93 117.14,69.865 117.166,69.804 117.206,69.752 117.258,69.712 117.319,69.686 117.384,69.678 148.932,69.678 148.932,45.182 103.981,45.182 103.96,45.198 103.899,45.224 103.834,45.232 73.436,45.232 73.436,75.63 73.428,75.695 73.402,75.756 73.362,75.808 73.31,75.848 73.249,75.874 73.184,75.882 45.184,75.882 45.119,75.874 45.058,75.848 45.006,75.808 44.966,75.756 44.94,75.695 44.932,75.63 44.932,71.93 44.932,64.93 44.938,64.88 44.932,64.83 44.94,64.765 44.966,64.704 45.006,64.652 45.058,64.612 45.119,64.586 45.184,64.578 50.532,64.578 50.532,53.382 37.1,53.382 37.035,53.374 36.974,53.348 36.922,53.308 36.882,53.256 36.856,53.195 36.848,53.13 36.848,33.446 36.856,33.381 36.868,33.353 36.846,33.302 36.838,33.236 36.838,12.636 36.846,12.571 36.872,12.51 36.912,12.458 36.964,12.418 37.025,12.392 37.09,12.384 37.155,12.392 37.216,12.418 37.268,12.458 37.288,12.478 60.732,12.478 60.732,9.53 60.732,0.512 60.583,0.512 60.575,0.518 60.514,0.544 60.449,0.552 60.214,0.552 26.336,0.552 26.336,33.678 32.184,33.678 32.249,33.686 32.31,33.712 32.362,33.752 32.402,33.804 32.428,33.865 32.436,33.93 32.436,65.576 36.284,65.576 36.349,65.585 36.41,65.61 36.462,65.65 36.502,65.702 36.528,65.763 36.536,65.828 36.536,68.43 36.528,68.495 36.502,68.556 36.462,68.608 36.41,68.648 36.349,68.674 36.284,68.682 23.036,68.682 23.036,73.73 23.036,77.878 25.384,77.878 25.449,77.886 25.51,77.912 25.562,77.952 25.602,78.004 25.628,78.065 25.636,78.13 25.636,80.393 39.784,80.393 39.849,80.401 39.91,80.427 39.962,80.467 40.002,80.519 40.028,80.58 40.036,80.645 40.036,85.778 117.132,85.778
VCCUSB on POWER (split plane): 39.532,80.897 25.384,80.897 25.319,80.889 25.258,80.863 25.206,80.823 25.166,80.771 25.14,80.71 25.132,80.645 25.132,78.382 21.536,78.382 21.536,78.63 21.536,85.778 39.532,85.778
4.4V on POWER (split plane): 56.032,35.982 53.584,35.982 53.519,35.974 53.458,35.948 53.406,35.908 53.366,35.856 53.34,35.795 53.332,35.73 53.332,31.43 53.332,27.53 53.34,27.465 53.366,27.404 53.406,27.352 53.458,27.312 53.519,27.286 53.584,27.278 56.884,27.278 56.949,27.286 57.01,27.312 57.062,27.352 57.102,27.404 57.128,27.465 57.136,27.53 57.136,31.178 63.832,31.178 63.832,27.63 63.84,27.565 63.866,27.504 63.906,27.452 63.958,27.412 64.019,27.386 64.084,27.378 70.932,27.378 70.932,13.547 70.94,13.482 70.966,13.421 71.006,13.369 71.058,13.329 71.119,13.303 71.184,13.295 75.532,13.295 75.532,8.947 75.532,0.512 61.236,0.512 61.236,9.53 61.236,12.73 61.228,12.795 61.202,12.856 61.162,12.908 61.11,12.948 61.049,12.974 60.984,12.982 37.342,12.982 37.342,33.236 37.334,33.302 37.322,33.329 37.344,33.381 37.352,33.446 37.352,52.878 50.784,52.878 50.849,52.886 50.91,52.912 50.962,52.952 51.002,53.004 51.028,53.065 51.036,53.13 51.036,64.83 51.036,71.578 56.032,71.578
12V on POWER (split plane): 15.432,33.93 15.44,33.865 15.466,33.804 15.506,33.752 15.558,33.712 15.619,33.686 15.684,33.678 25.832,33.678 25.832,0.512 0.256,0.512 0.256,61.878 15.432,61.878
3.3V_ESP on POWER (split plane): 206 vertices, not listed, extent 0.256,0.511 157.224,99.648

## Keep-outs
Keep-Out Layer:
  the board outline again, w2

## Other copper
Top:
  rectangle net 3.3V_ESP: 21.59,72.05 24.54,72.78
  rectangle net PGND: 23.749,74.041 25.781,74.295
  rectangle net PGND: 32.384,22.63 34.284,25.03
  rectangle net SGND: 59.884,73.23 61.484,77.33
  rectangle net SGND: 72.184,59.13 74.784,62.03
  rectangle net SGND: 52.184,66.93 55.984,68.63
  rectangle net 4.4V: 52.084,69.13 55.984,70.93
  rectangle net PGND: 33.484,70.93 34.084,73.73
  rectangle net PGND: 48.184,19.03 51.284,20.93
  rectangle net 4.4V: 68.961,20.926 70.358,23.593
  rectangle net 4.4V: 68.834,24.882 70.221,27.276
  rectangle net 3.3V_ESP: 74.803,23.847 76.708,27.403
  rectangle net 3.3V_ESP: 72.009,24.99 73.152,27.276
  rectangle net 4.4V: 68.961,16.1 70.358,18.386
  pour cut-out: 100.145,10.75 126.835,10.75 126.835,0.53 126.795,0.57 95.635,0.57 95.635,10.75
  region net 5V: 25.184,71.63 25.184,69.53 23.284,69.53 23.284,71.63
  region net PGND: 70.218,24.527 70.173,24.482 66.675,24.482 66.675,23.085 67.056,22.704 67.818,22.704 68.072,22.958 68.072,23.847 70.136,23.847 70.221,23.932 70.218,23.935
  region net PGND: 70.245,19.429 70.212,19.402 66.675,19.402 66.675,17.608 66.691,17.624 67.888,17.624 67.888,18.837 70.245,18.837
  region net 4.4V: 66.675,21.053 66.675,19.833 70.358,19.833 70.358,21.053
  region net 5V: 48.006,10.893 48.006,8.226 50.927,8.226 50.927,8.48 50.927,9.877 49.403,9.877 49.403,10.893
Bottom:
  rectangle net PGND: 19.02,82.244 20.982,83.09
  pour cut-out: 97.2,10.77 124.09,10.77 124.09,0.46 124.07,0.44 124.04,0.47 97.14,0.47 97.14,10.63 97.2,10.69
POWER (plane layer: these items are gaps in the copper):
  rectangle: 97.28,0.41 123.59,10.58
  lines w0.5: 21.284,78.53 21.284,85.78 ; 21.284,78.63 21.284,78.23 21.284,78.13 25.384,78.13 25.384,80.645 39.784,80.645 39.784,85.998 ; 21.284,86.03 39.784,86.03 ; 22.784,78.03 22.784,73.73 22.784,68.43 32.184,68.43 34.786,68.43 36.284,68.43 36.284,65.828 32.184,65.828 32.184,33.93 ; 26.059,33.93 32.184,33.93 ; 26.084,0.3 60.449,0.3 ; 26.084,38.13 26.184,38.03 ; 37.09,33.236 37.09,12.636 37.184,12.73 60.984,12.73 60.984,9.53 ; 37.1,33.446 37.1,53.13 50.784,53.13 50.784,64.83 ; 39.884,86.03 98.284,86.03 117.384,86.03 117.384,69.93 149.184,69.93 149.184,44.93 103.884,44.93 ; 45.184,64.83 50.784,64.83 ; 45.184,64.93 45.184,71.93 45.184,75.63 73.184,75.63 73.184,45.03 73.284,44.93 ; 50.084,64.83 50.784,64.83 ; 60.214,0.3 60.254,0.26 75.784,0.26 75.784,8.947 75.784,13.53 ; 71.084,27.63 64.084,27.63 64.084,31.43 56.884,31.43 56.884,27.53 53.584,27.53 53.584,31.43 53.584,35.73 56.284,35.73 56.284,71.83 50.784,71.83 50.784,64.83 ; 71.184,27.53 71.184,13.547 75.557,13.547 ; 73.234,44.98 103.834,44.98 ; 76.044,0.26 157.5,0.26 157.5,99.9 106.4,99.9 98.2,89.8 0,89.8 ; 97.48,0.25 97.48,10.49 123.79,10.49 123.79,0.32 ; 0,62.13 0,89.8 ; 0,62.13 0,0.26 26.084,0.26 26.084,33.93 15.684,33.93 15.684,62.13 14.384,62.13 0,62.13 ; 0,89.8 0,89.8 ; 32.184,33.93 32.184,33.93 ; 60.984,9.53 60.984,0.3 60.984,9.53
GND (plane layer: these items are gaps in the copper):
  rectangle: 97.31,0.39 124.04,10.59
  lines w0.5: 27.837,29.13 31.216,29.13 ; 28.616,29.13 22.716,29.13 22.684,29.162 22.684,52.63 44.484,52.63 44.484,58.03 44.584,58.13 49.984,58.13 49.984,89.535 ; 37.184,26.23 98.084,26.23 98.084,13.89 122.424,13.89 129.784,13.89 129.784,36.53 31.284,36.53 31.184,36.53 31.184,26.23 37.384,26.23 ; 82.9,36.56 82.9,63.73 97.93,63.73 98.1,87.81 98.1,89.815 ; 97.31,0.43 97.31,10.59 123.94,10.59 124.04,10.49 124.04,0.39 ; 0,0.25 0,89.76 0.04,89.8 98.197,89.8 106.499,99.96 157.49,99.96 157.49,0.25 0,0.25

## Silkscreen, mask and mechanical layers (free items; w line width, h text height)
Top Overlay:
  text "AC OUT3" at 132.918,95.903 h1.5
  text "AC OUT1" at 108.699,95.88 h1.5
  text "AC OUT2" at 120.848,95.88 h1.5
  text "AC OUT4" at 145.472,95.877 h1.5
  text "IC3" at 23.063,73.123 h1 r90
  text "BUTTON" at 3.096,62.751 h1.5 r90
  text "FLASH" at 30.501,58.75 h1
  text "FLASH" at 39.8,54.101 h1 r90
  text "SENSOR2" at 3.223,49.683 h1.5 r90
  text "GND" at 151.674,46.28 h1.5 r90
  text "TX" at 48.05,43.15 h1.2
  text "RX" at 48.25,40.35 h1.2
  text "DC OUT3" at 151.674,39.173 h1.5 r90
  text "SENSOR1" at 3.503,36.928 h1.5 r90
  text "RST" at 33.601,34.25 h1.2
  text "GND" at 151.674,31.949 h1.5 r90
  text "DC OUT2" at 151.674,24.631 h1.5 r90
  text "GND" at 3.741,18.655 h1.5 r90
  text "GND" at 151.674,16.215 h1.5 r90
  text "12VDC" at 3.839,12.869 h1.5 r90
  text "DC OUT1" at 151.674,9.322 h1.5 r90

## Text inside footprints (layer, text, board x,y; h text height)
D1: Mechanical 2 "K" at 48.663,27.54 h1 r90; Mechanical 2 "A" at 48.713,19.2 h1 r90
D2: Mechanical 2 "A" at 5.692,27.03 h1; Mechanical 2 "K" at 11.292,27.03 h1
D3: Mechanical 2 "K" at 38.459,9.867 h1 r270; Mechanical 2 "A" at 38.409,18.207 h1 r270
D4: Mechanical 2 "K" at 11.517,7.272 h1; Mechanical 2 "A" at 5.917,7.272 h1
D7: Mechanical 2 "A" at 40.207,83.091 h1; Mechanical 2 "K" at 45.807,83.091 h1
ESD1: Mechanical 2 "6" at 79.024,58.085 h1 r270; Mechanical 2 "4" at 79.045,56.138 h1 r270; Mechanical 2 "3" at 77.948,56.138 h1 r270; Mechanical 2 "1" at 78.01,58.009 h1 r270
GSM1: Mechanical 1 "HD?" at 46.278,42.876 h1 r270; Mechanical 1 "2" at 45.974,41.91 h1 r270; Mechanical 1 "1" at 45.974,44.45 h1 r270
IC3: Mechanical 2 "1" at 24.243,75.131 h1 r270; Mechanical 2 "7" at 24.243,72.331 h1 r270; Mechanical 2 "8" at 24.843,71.431 h1; Mechanical 2 "14" at 27.143,71.531 h1; Mechanical 2 "15" at 28.243,72.631 h1 r270; Mechanical 2 "21" at 28.243,75.331 h1 r270; Mechanical 2 "22" at 27.243,75.231 h1; Mechanical 2 "28" at 24.743,75.331 h1
IC4: Mechanical 2 "42" at 57.334,62.73 h1 r180; Mechanical 2 "34" at 57.334,71.53 h1 r180; Mechanical 2 "33" at 58.784,71.58 h1 r90; Mechanical 2 "22" at 70.884,71.58 h1 r90; Mechanical 2 "21" at 72.284,71.48 h1 r180; Mechanical 2 "13" at 72.284,62.83 h1 r180; Mechanical 2 "12" at 70.834,58.83 h1 r90; Mechanical 2 "1" at 58.734,58.83 h1 r90
J6: Mechanical 2 "GND" at 77.862,74.731 h1 r270; Mechanical 2 "GND" at 77.862,87.333 h1 r270; Mechanical 2 "GND" at 94.296,87.333 h1 r270; Mechanical 2 "GND" at 94.296,74.731 h1 r270; Mechanical 2 "5" at 92.673,72.136 h1 r180; Mechanical 2 "3" at 86.308,72.141 h1 r180; Mechanical 2 "7" at 87.553,72.143 h1 r180; Mechanical 2 "2" at 88.852,72.14 h1 r180; Mechanical 2 "6" at 90.143,72.141 h1 r180; Mechanical 2 "1" at 91.363,72.143 h1 r180
JP1: Mechanical 2 "2" at 10.506,19.891 h1 r90; Mechanical 2 "1" at 10.506,15.011 h1 r90
JP2: Mechanical 1 "1" at 6.993,42.168 h1 r270; Mechanical 1 "3" at 6.993,37.268 h1 r270
JP3: Mechanical 1 "1" at 6.993,55.757 h1 r270; Mechanical 1 "3" at 6.993,50.857 h1 r270
JP4: Mechanical 1 "1" at 6.993,67.284 h1 r270; Mechanical 1 "2" at 6.993,64.884 h1 r270; Mechanical 1 "CN?" at 7.493,65.884 h1 r270
JP5: Mechanical 2 "1" at 108.893,89.287 h1; Mechanical 2 "2" at 113.773,89.287 h1
JP6: Mechanical 2 "1" at 121.17,89.287 h1; Mechanical 2 "2" at 126.05,89.287 h1
JP7: Mechanical 2 "1" at 133.446,89.287 h1; Mechanical 2 "2" at 138.326,89.287 h1
JP8: Mechanical 2 "1" at 145.723,89.287 h1; Mechanical 2 "2" at 150.603,89.287 h1
JP9: Mechanical 2 "2" at 143.291,42.662 h1 r270; Mechanical 2 "1" at 143.291,47.542 h1 r270
JP10: Mechanical 2 "2" at 143.291,28.184 h1 r270; Mechanical 2 "1" at 143.291,33.064 h1 r270
JP11: Mechanical 2 "2" at 143.291,12.817 h1 r270; Mechanical 2 "1" at 143.291,17.697 h1 r270
Q1: Mechanical 2 "B" at 85.686,57.419 h1 r180; Mechanical 2 "C" at 84.986,56.569 h1 r180; Mechanical 2 "E" at 84.286,57.419 h1 r180
Q2: Mechanical 2 "E" at 100.434,57.419 h1 r180; Mechanical 2 "C" at 101.134,56.569 h1 r180; Mechanical 2 "B" at 101.834,57.419 h1 r180
Q3: Mechanical 2 "C" at 39.474,76.698 h1; Mechanical 2 "B" at 40.524,75.498 h1; Mechanical 2 "E" at 38.524,75.598 h1
Q4: Mechanical 2 "E" at 34.755,76.744 h1 r180; Mechanical 2 "B" at 32.755,76.844 h1 r180; Mechanical 2 "C" at 33.805,75.644 h1 r180
RL1: Mechanical 2 "4" at 126.456,73.783 h1; Mechanical 2 "3" at 108.656,71.383 h1; Mechanical 2 "1" at 122.656,58.583 h1; Mechanical 2 "2" at 112.556,58.583 h1
RL2: Mechanical 2 "4" at 149.697,73.783 h1; Mechanical 2 "3" at 131.897,71.383 h1; Mechanical 2 "1" at 145.897,58.583 h1; Mechanical 2 "2" at 135.797,58.583 h1
U1: Mechanical 2 "1" at 38.097,24.412 h1 r270; Mechanical 2 "4" at 38.097,20.727 h1 r270; Mechanical 2 "5" at 40.415,20.727 h1 r270; Mechanical 2 "8" at 38.612,20.668 h1 r270
U2: Mechanical 2 "1" at 28.445,14.272 h1 r270; Mechanical 2 "4" at 28.445,10.587 h1 r270; Mechanical 2 "5" at 30.763,10.587 h1 r270; Mechanical 2 "8" at 28.96,10.528 h1 r270
U3: Mechanical 2 "5" at 71.432,25.302 h1 r270; Mechanical 2 "4" at 71.47,23.411 h1 r270; Mechanical 2 "3" at 70.351,23.382 h1 r270; Mechanical 2 "1" at 70.346,25.283 h1 r270
U4: Mechanical 2 "1" at 70.37,20.188 h1 r270; Mechanical 2 "3" at 70.375,18.287 h1 r270; Mechanical 2 "4" at 71.494,18.316 h1 r270; Mechanical 2 "5" at 71.456,20.207 h1 r270
U5: Mechanical 2 "1" at 118.554,11.605 h1 r270; Mechanical 2 "14" at 118.554,28.505 h1 r270; Mechanical 2 "15" at 116.954,29.105 h1 r180; Mechanical 2 "24" at 105.554,29.105 h1 r180; Mechanical 2 "25" at 101.854,28.705 h1 r270; Mechanical 2 "38" at 101.854,12.105 h1 r270
U6: Mechanical 2 "C" at 27.165,39.733 h1; Mechanical 2 "A" at 21.765,38.933 h1; Mechanical 2 "K" at 21.765,37.139 h1; Mechanical 2 "E" at 27.165,37.133 h1
U7: Mechanical 2 "E" at 27.165,45.896 h1; Mechanical 2 "K" at 21.765,45.902 h1; Mechanical 2 "A" at 21.765,47.696 h1; Mechanical 2 "C" at 27.165,48.496 h1
U8: Mechanical 2 "E" at 26.984,55.23 h1; Mechanical 2 "K" at 21.584,55.236 h1; Mechanical 2 "A" at 21.584,57.03 h1; Mechanical 2 "C" at 26.984,57.83 h1
U9: Mechanical 2 "E" at 108.38,47.583 h1 r90; Mechanical 2 "K" at 108.374,42.183 h1 r90; Mechanical 2 "A" at 106.58,42.183 h1 r90; Mechanical 2 "C" at 105.78,47.583 h1 r90
U10: Mechanical 2 "E" at 90.092,47.583 h1 r90; Mechanical 2 "K" at 90.086,42.183 h1 r90; Mechanical 2 "A" at 88.292,42.183 h1 r90; Mechanical 2 "C" at 87.492,47.583 h1 r90
U11: Mechanical 2 "E" at 117.143,47.583 h1 r90; Mechanical 2 "K" at 117.137,42.183 h1 r90; Mechanical 2 "A" at 115.343,42.183 h1 r90; Mechanical 2 "C" at 114.543,47.583 h1 r90
U12: Mechanical 2 "E" at 99.109,47.583 h1 r90; Mechanical 2 "K" at 99.103,42.183 h1 r90; Mechanical 2 "A" at 97.309,42.183 h1 r90; Mechanical 2 "C" at 96.509,47.583 h1 r90
U13: Mechanical 2 "E" at 125.017,47.583 h1 r90; Mechanical 2 "K" at 125.011,42.183 h1 r90; Mechanical 2 "A" at 123.217,42.183 h1 r90; Mechanical 2 "C" at 122.417,47.583 h1 r90
U14: Mechanical 2 "1" at 34.837,70.825 h1 r180; Mechanical 2 "3" at 32.936,70.82 h1 r180; Mechanical 2 "4" at 32.965,69.701 h1 r180; Mechanical 2 "5" at 34.856,69.739 h1 r180
USB1: Mechanical 2 "1" at 23.482,83.644 h1 r180; Mechanical 2 "5" at 21.082,83.644 h1 r180